# KiCad board Kristerj.kicad_pcb (continued)
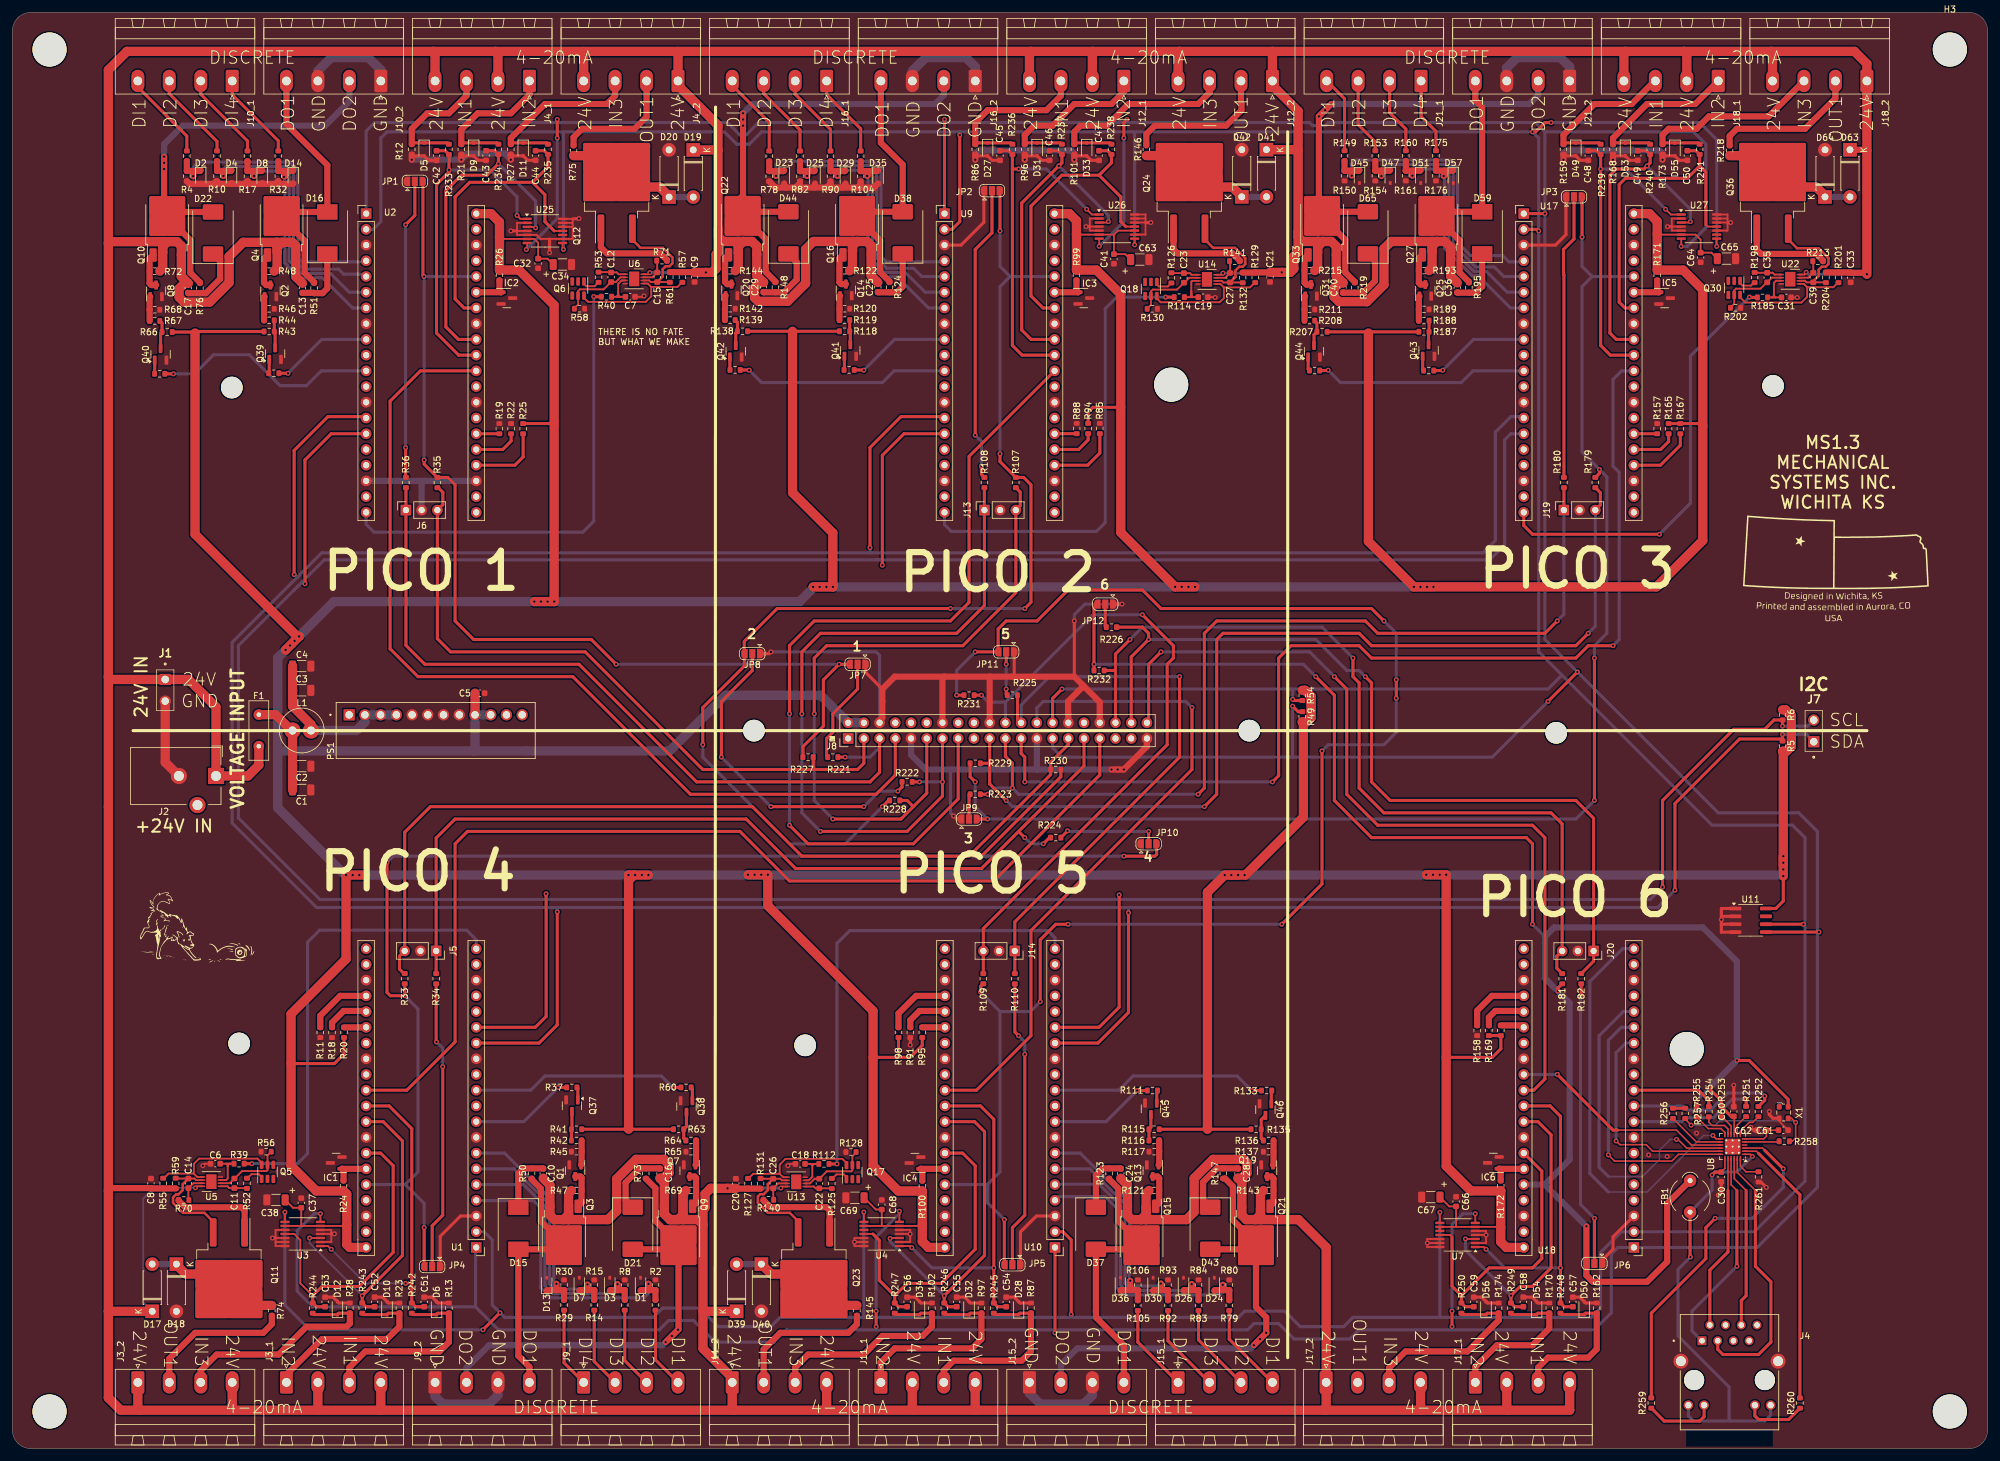
[diagram p0: board, top side]
## Nets (continued)
GND: C1.1 C2.1 C3.1 C4.1 C5.1 C6.2 C7.2 C8.2 C9.2 C18.2 C19.2 C20.2 C21.2 C30.1 C31.2 C32.2 C33.2 C34.2 C37.2 C38.2 C41.2 C42.2 C43.2 C44.2 C45.2 C46.2 C47.2 C48.2 C49.2 C50.2 C51.2 C52.2 C53.2 C54.2 C55.2 C56.2 C57.2 C58.2 C59.2 C60.2 C61.2 C62.1 C63.2 C64.2 C65.2 C66.2 C67.2 C68.2 C69.2 D1.2 D2.2 D3.2 D4.2 D5.2 D6.2 D7.2 D8.2 D9.2 D10.2 D11.2 D12.2 D13.2 D14.2 D18.2 D20.2 D23.2 D24.2 D25.2 D26.2 D27.2 D28.2 D29.2 D30.2 D31.2 D32.2 D33.2 D34.2 D35.2 D36.2 D40.2 D42.2 D45.2 D47.2 D49.2 D50.2 D51.2 D53.2 D54.2 D55.2 D56.2 D57.2 D64.2 IC1.2 IC1.3 IC2.2 IC2.3 IC3.2 IC3.3 IC4.2 IC4.3 IC5.2 IC5.3 IC6.2 IC6.3 J1.2 J2.2 J4.S1 J4.S2 J5.2 J6.2 J8.6 J8.9 J8.14 J8.20 J8.25 J8.30 J8.34 J8.39 J9_2.1 J9_2.3 J10_2.1 J10_2.3 J13.2 J14.2 J15_2.1 J15_2.3 J16_2.1 J16_2.3 J19.2 J20.2 J21_2.1 J21_2.3 JP1.1 JP2.1 JP3.1 JP4.1 JP5.1 JP6.1 JP7.1 JP8.1 JP9.1 JP10.1 JP11.1 JP12.1 PS1.5 PS1.6 PS1.7 PS1.8 Q1.2 Q2.2 Q7.2 Q8.2 Q13.2 Q14.2 Q19.2 Q20.2 Q25.2 Q31.2 Q37.2 Q38.2 Q39.2 Q40.2 Q41.2 Q42.2 Q43.2 Q44.2 Q45.2 Q46.2 R2.2 R4.2 R8.2 R10.2 R11.1 R12.1 R13.1 R15.2 R17.2 R18.1 R19.1 R21.1 R22.1 R23.1 R27.1 R28.1 R30.2 R32.2 R45.1 R46.1 R56.1 R58.1 R65.1 R68.1 R78.2 R80.2 R82.2 R84.2 R85.1 R86.1 R87.1 R88.1 R90.2 R91.1 R93.2 R96.1 R97.1 R101.1 R102.1 R104.2 R106.2 R117.1 R120.1 R128.1 R130.1 R137.1 R142.1 R150.2 R154.2 R157.1 R158.1 R159.1 R161.2 R162.1 R168.1 R170.1 R173.1 R174.1 R176.2 R189.1 R202.1 R211.1 R261.1 U1.3 U1.8 U1.13 U1.18 U1.23 U1.28 U1.33 U1.38 U2.3 U2.8 U2.13 U2.18 U2.23 U2.28 U2.33 U2.38 U3.2 U3.4 U3.5 U3.10 U3.12 U3.13 U3.14 U4.2 U4.4 U4.5 U4.12 U4.13 U4.14 U5.4 U6.4 U7.2 U7.4 U7.5 U7.12 U7.13 U7.14 U8.25 U9.3 U9.8 U9.13 U9.18 U9.23 U9.28 U9.33 U9.38 U10.3 U10.8 U10.13 U10.18 U10.23 U10.28 U10.33 U10.38 U11.1 U11.2 U11.3 U11.4 U13.4 U14.4 U17.3 U17.8 U17.13 U17.18 U17.23 U17.28 U17.33 U17.38 U18.3 U18.8 U18.13 U18.18 U18.23 U18.28 U18.33 U18.38 U22.4 U25.2 U25.4 U25.5 U25.9 U25.12 U25.13 U25.14 U26.2 U26.4 U26.5 U26.9 U26.12 U26.13 U26.14 U27.2 U27.4 U27.5 U27.10 U27.12 U27.13 U27.14 X1.2
/OSCIN: R258.1 U8.5
/REFCLKO: R256.1 U8.14
ADC_REF1: IC2.1 R26.2 U2.35
ADC_REF2: IC3.1 R99.2 U9.35
ADC_REF3: IC5.1 R171.2 U17.35
ADC_REF4: IC1.1 R24.2 U1.35
ADC_REF5: IC4.1 R100.2 U10.35
ADC_REF6: IC6.1 R172.2 U18.35
CRS: R254.2 U18.11
MDC: U8.13 U18.20
MDIO: U18.19
nRST: U8.15 U18.29
Pi1_4-20_IN1: C42.1 R233.2 U2.31 U25.1
Pi1_4-20_IN2: C43.1 R234.2 U2.32 U25.3
Pi1_4-20_IN3: C44.1 R235.2 U2.34 U25.11
Pi1_4-20_OUT-1-: J4_2.2 R75.2
Pi1_4-20_OUT-2-: J12_2.2 R146.2
Pi1_4-20_OUT-3-: J18_2.2 R218.2
Pi1_4-20_OUT-4-: J3_2.2 R74.2
Pi1_4-20_OUT-5-: J11_2.2 R145.2
Pi1_4-20_OUT-6-: J17_2.2
Pi1_D-IN1: D2.1 R3.2 R4.1 U2.4
Pi1_D-IN2: D4.1 R9.2 R10.1 U2.5
Pi1_D-IN3: D8.1 R16.2 R17.1 U2.6
Pi1_D-IN4: D14.1 R31.2 R32.1 U2.7
Pi1_D-OUT1: R38.1 U2.9
Pi1_D-OUT3: R62.1 U2.11
Pi1_DI_1: J10_1.4 R3.1
Pi1_DI_2: J10_1.3 R9.1
Pi1_DI_3: J10_1.2 R16.1
Pi1_DI_4: J10_1.1 R31.1
Pi1_DO1: D16.2 J10_2.4 Q4.2 R51.1
Pi1_DO3: D22.2 J10_2.2 Q10.2 R76.1
Pi1_O_1: R40.2 U2.20
Pi1_O_2: R114.2 U9.20
Pi1_O_3: R185.2 U17.20
Pi1_O_4: R39.2 U1.20
Pi1_O_5: R112.2 U10.20
Pi1_RST: J8.7 U2.30
Pi1_SCL-1: J7.2 R6.1 U1.15 U2.15 U9.15 U10.15 U17.15
Pi1_SDA-1: J7.1 R5.1 U1.14 U2.14 U9.14 U10.14 U17.14
Pi1_SWCLK: J6.1 J8.5 R36.2 R221.2
Pi1_SWDIO: J6.3 J8.3 R35.1 R227.1
Pi2_4-20_IN1: C45.1 R236.2 U9.31 U26.1
Pi2_4-20_IN2: C46.1 R237.2 U9.32 U26.3
Pi2_4-20_IN3: C47.1 R238.2 U9.34 U26.11
Pi2_D-IN1: D23.1 R77.2 R78.1 U9.4
Pi2_D-IN2: D25.1 R81.2 R82.1 U9.5
Pi2_D-IN3: D29.1 R89.2 R90.1 U9.6
Pi2_D-IN4: D35.1 R103.2 R104.1 U9.7
Pi2_D-OUT1: R113.1 U9.9
Pi2_D-OUT3: R134.1 U9.11
Pi2_DI_1: J16_1.4 R77.1
Pi2_DI_2: J16_1.3 R81.1
Pi2_DI_3: J16_1.2 R89.1
Pi2_DI_4: J16_1.1 R103.1
Pi2_DO1: D38.2 J16_2.4 Q16.2 R124.1
Pi2_DO3: D44.2 J16_2.2 Q22.2 R148.1
Pi2_RST: J8.15 U9.30
Pi2_SWCLK: J8.13 J13.1 R108.2 R222.2
Pi2_SWDIO: J8.11 J13.3 R107.1 R228.1
Pi3_4-20_IN1: C48.1 R239.2 U17.31 U27.1
Pi3_4-20_IN2: C49.1 R240.2 U17.32 U27.3
Pi3_4-20_IN3: C50.1 R241.2 U17.34 U27.11
Pi3_D-IN1: D45.1 R149.2 R150.1 U17.4
Pi3_D-IN2: D47.1 R153.2 R154.1 U17.5
Pi3_D-IN3: D51.1 R160.2 R161.1 U17.6
Pi3_D-IN4: D57.1 R175.2 R176.1 U17.7
Pi3_D-OUT1: R183.1 U17.9
Pi3_D-OUT3: R205.1 U17.11
Pi3_DI_1: J21_1.4 R149.1
Pi3_DI_2: J21_1.3 R153.1
Pi3_DI_3: J21_1.2 R160.1
Pi3_DI_4: J21_1.1 R175.1
Pi3_DO1: D59.2 J21_2.4 Q27.2 R195.1
Pi3_DO3: D65.2 J21_2.2 Q33.2 R219.1
Pi3_RST: J8.23 U17.30
Pi3_SWCLK: J8.21 J19.1 R180.2 R223.2
Pi3_SWDIO: J8.19 J19.3 R179.1 R229.1
Pi4_4-20_IN1: C51.1 R242.2 U1.31 U3.1
Pi4_4-20_IN2: C52.1 R243.2 U1.32 U3.3
Pi4_4-20_IN3: C53.1 R244.2 U1.34 U3.11
Pi4_D-IN1: D1.1 R1.2 R2.1 U1.4
Pi4_D-IN2: D3.1 R7.2 R8.1 U1.5
Pi4_D-IN3: D7.1 R14.2 R15.1 U1.6
Pi4_D-IN4: D13.1 R29.2 R30.1 U1.7
Pi4_D-OUT1: R37.1 U1.9
Pi4_D-OUT3: R60.1 U1.11
Pi4_DI_1: J9_1.4 R1.1
Pi4_DI_2: J9_1.3 R7.1
Pi4_DI_3: J9_1.2 R14.1
Pi4_DI_4: J9_1.1 R29.1
Pi4_DO1: D15.2 J9_2.4 Q3.2 R50.1
Pi4_DO3: D21.2 J9_2.2 Q9.2 R73.1
Pi4_RST: J8.33 U1.30
Pi4_SWCLK: J5.1 J8.31 R34.2 R224.2
Pi4_SWDIO: J5.3 J8.29 R33.1 R230.1
Pi5_4-20_IN1: C54.1 R245.2 U4.1 U10.31
Pi5_4-20_IN2: C55.1 R246.2 U4.3 U10.32
Pi5_4-20_IN3: C56.1 R247.2 U4.11 U10.34
Pi5_D-IN1: D24.1 R79.2 R80.1 U10.4
Pi5_D-IN2: D26.1 R83.2 R84.1 U10.5
Pi5_D-IN3: D30.1 R92.2 R93.1 U10.6
Pi5_D-IN4: D36.1 R105.2 R106.1 U10.7
Pi5_D-OUT1: R111.1 U10.9
Pi5_D-OUT3: R133.1 U10.11
Pi5_DI_1: J15_1.4 R79.1
Pi5_DI_2: J15_1.3 R83.1
Pi5_DI_3: J15_1.2 R92.1
Pi5_DI_4: J15_1.1 R105.1
Pi5_DO1: D37.2 J15_2.4 Q15.2 R123.1
Pi5_DO3: D43.2 J15_2.2 Q21.2 R147.1
Pi5_RST: J8.26 U10.30
Pi5_SWCLK: J8.24 J14.1 R110.2 R225.2
Pi5_SWDIO: J8.22 J14.3 R109.1 R231.1
Pi6_4-20_IN1: C57.1 R248.2 U7.1 U18.31
Pi6_4-20_IN2: C58.1 R249.2 U7.3 U18.32
Pi6_4-20_IN3: C59.1 R250.2 U7.11 U18.34
Pi6_RST: J8.40 U18.30
Pi6_SWCLK: J8.38 J20.1 R182.2 R226.2
Pi6_SWDIO: J8.36 J20.3 R181.1 R232.1
R_RXCLK: R256.2 R257.2
RX0: R251.2 U18.9
RX1: R252.2 U18.10
SCL-0: J8.28 R54.1 U1.2 U2.2 U3.8 U4.8 U7.8 U9.2 U10.2 U11.6 U17.2 U18.2 U25.8 U26.8 U27.8
SDA-0: J8.27 R49.1 U1.1 U2.1 U3.7 U4.7 U7.7 U9.1 U10.1 U11.5 U17.1 U18.1 U25.7 U26.7 U27.7
TX0: U8.17 U18.14
TX1: U8.18 U18.15
TX_EN: U8.16 U18.16
Net-(C1-Pad2): C1.2 C2.2 F1.2 L1.1
Net-(C3-Pad2): C3.2 C4.2 L1.2 PS1.2 PS1.3 PS1.4
Net-(C11-Pad1): C11.1 R52.2 U5.1
Net-(C12-Pad1): C12.1 R53.2 U6.1
Net-(C14-Pad2): C14.2 R70.2 U5.7
Net-(C15-Pad2): C15.2 R71.2 U6.7
Net-(C22-Pad1): C22.1 R125.2 U13.1
Net-(C23-Pad1): C23.1 R126.2 U14.1
Net-(C26-Pad2): C26.2 R140.2 U13.7
Net-(C27-Pad2): C27.2 R141.2 U14.7
Net-(C35-Pad1): C35.1 R198.2 U22.1
Net-(C39-Pad2): C39.2 R213.2 U22.7
Net-(D5-K): D5.1 J4_1.3 R12.2 R233.1
Net-(D6-K): D6.1 J3_1.3 R13.2 R242.1
Net-(D9-K): D9.1 J4_1.1 R21.2 R234.1
Net-(D10-K): D10.1 J3_1.1 R23.2 R243.1
Net-(D11-K): D11.1 J4_2.3 R27.2 R235.1
Net-(D12-K): D12.1 J3_2.3 R28.2 R244.1
Net-(D15-K): C10.1 D15.1 R50.2
Net-(D16-K): C13.1 D16.1 R51.2
Net-(D17-A): D17.2 D18.1 Q11.2 R74.1
Net-(D19-A): D19.2 D20.1 Q12.2 R75.1
Net-(D21-K): C16.1 D21.1 R73.2
Net-(D22-K): C17.1 D22.1 R76.2
Net-(D27-K): D27.1 J12_1.3 R86.2 R236.1
Net-(D28-K): D28.1 J11_1.3 R87.2 R245.1
Net-(D31-K): D31.1 J12_1.1 R96.2 R237.1
Net-(D32-K): D32.1 J11_1.1 R97.2 R246.1
Net-(D33-K): D33.1 J12_2.3 R101.2 R238.1
Net-(D34-K): D34.1 J11_2.3 R102.2 R247.1
Net-(D37-K): C24.1 D37.1 R123.2
Net-(D38-K): C25.1 D38.1 R124.2
Net-(D39-A): D39.2 D40.1 Q23.2 R145.1
Net-(D41-A): D41.2 D42.1 Q24.2 R146.1
Net-(D43-K): C28.1 D43.1 R147.2
Net-(D44-K): C29.1 D44.1 R148.2
Net-(D49-K): D49.1 J18_1.3 R159.2 R239.1
Net-(D50-K): D50.1 J17_1.3 R162.2 R248.1
Net-(D53-K): D53.1 J18_1.1 R168.2 R240.1
Net-(D54-K): D54.1 J17_1.1 R170.2 R249.1
Net-(D55-K): D55.1 J18_2.3 R173.2 R241.1
Net-(D56-K): D56.1 J17_2.3 R174.2 R250.1
Net-(D59-K): C36.1 D59.1 R195.2
Net-(D63-A): D63.2 D64.1 Q36.2 R218.1
Net-(D65-K): C40.1 D65.1 R219.2
Net-(J4-PadP10): J4.P10 R259.1
Net-(J4-PadP11): J4.P11 R260.1
Net-(JP1-C): JP1.2 R36.1
Net-(JP2-C): JP2.2 R108.1
Net-(JP3-C): JP3.2 R180.1
Net-(JP4-C): JP4.2 R34.1
Net-(JP5-C): JP5.2 R110.1
Net-(JP6-C): JP6.2 R182.1
Net-(JP7-C): JP7.2 R221.1
Net-(JP8-C): JP8.2 R222.1
Net-(JP9-C): JP9.2 R223.1
Net-(JP10-C): JP10.2 R224.1
Net-(JP11-C): JP11.2 R225.1
Net-(JP12-C): JP12.2 R226.1
Net-(Q1-D): Q1.3 Q3.1 R47.1
Net-(Q1-G): Q1.1 R42.1 R45.2
Net-(Q2-D): Q2.3 Q4.1 R48.1
Net-(Q2-G): Q2.1 R44.1 R46.2
Net-(Q5A-D): Q5.6 R55.1 U5.5
Net-(Q5A-G): Q5.1 R52.1
Net-(Q5A-S): C11.2 Q5.5 R56.2 U5.2
Net-(Q6A-D): Q6.6 R57.1 U6.5
Net-(Q6A-G): Q6.1 R53.1
Net-(Q6A-S): C12.2 Q6.5 R58.2 U6.2
Net-(Q7-D): Q7.3 Q9.1 R69.1
Net-(Q7-G): Q7.1 R64.1 R65.2
Net-(Q8-G): Q8.1 R67.1 R68.2
Net-(Q10-G): Q8.3 Q10.1 R72.1
Net-(Q11-G): Q11.1 R70.1
Net-(Q11-S): C14.1 Q11.3 R59.1 U5.6
Net-(Q12-G): Q12.1 R71.1
Net-(Q12-S): C15.1 Q12.3 R61.1 U6.6
Net-(Q13-D): Q13.3 Q15.1 R121.1
Net-(Q13-G): Q13.1 R116.1 R117.2
Net-(Q14-D): Q14.3 Q16.1 R122.1
Net-(Q14-G): Q14.1 R119.1 R120.2
Net-(Q17A-D): Q17.6 R127.1 U13.5
Net-(Q17A-G): Q17.1 R125.1
Net-(Q17A-S): C22.2 Q17.5 R128.2 U13.2
Net-(Q18A-D): Q18.6 R129.1 U14.5
Net-(Q18A-G): Q18.1 R126.1
Net-(Q18A-S): C23.2 Q18.5 R130.2 U14.2
Net-(Q19-D): Q19.3 Q21.1 R143.1
Net-(Q19-G): Q19.1 R136.1 R137.2
Net-(Q20-D): Q20.3 Q22.1 R144.1
Net-(Q20-G): Q20.1 R139.1 R142.2
Net-(Q23-G): Q23.1 R140.1
Net-(Q23-S): C26.1 Q23.3 R131.1 U13.6
Net-(Q24-G): Q24.1 R141.1
Net-(Q24-S): C27.1 Q24.3 R132.1 U14.6
Net-(Q25-D): Q25.3 Q27.1 R193.1
Net-(Q25-G): Q25.1 R188.1 R189.2
Net-(Q30A-D): Q30.6 R201.1 U22.5
Net-(Q30A-G): Q30.1 R198.1
Net-(Q30A-S): C35.2 Q30.5 R202.2 U22.2
Net-(Q31-D): Q31.3 Q33.1 R215.1
Net-(Q31-G): Q31.1 R208.1 R211.2
Net-(Q36-G): Q36.1 R213.1
Net-(Q36-S): C39.1 Q36.3 R204.1 U22.6
Net-(Q37-B): Q37.1 R37.2
Net-(Q37-C): Q37.3 R41.1 R42.2
Net-(Q38-B): Q38.1 R60.2
Net-(Q38-C): Q38.3 R63.1 R64.2
Net-(Q39-B): Q39.1 R38.2
Net-(Q39-C): Q39.3 R43.1 R44.2
Net-(Q40-B): Q40.1 R62.2
Net-(Q40-C): Q40.3 R66.1 R67.2
Net-(Q41-B): Q41.1 R113.2
Net-(Q41-C): Q41.3 R118.1 R119.2
Net-(Q42-B): Q42.1 R134.2
Net-(Q42-C): Q42.3 R138.1 R139.2
Net-(Q43-B): Q43.1 R183.2
Net-(Q43-C): Q43.3 R187.1 R188.2
Net-(Q44-B): Q44.1 R205.2
Net-(Q44-C): Q44.3 R207.1 R208.2
Net-(Q45-B): Q45.1 R111.2
Net-(Q45-C): Q45.3 R115.1 R116.2
Net-(Q46-B): Q46.1 R133.2
Net-(Q46-C): Q46.3 R135.1 R136.2
Net-(U1-GP18): R11.2 U1.24
Net-(U1-GP19): R18.2 U1.25
Net-(U1-GP20): R20.1 U1.26
Net-(U2-GP18): R25.1 U2.24
Net-(U2-GP19): R22.2 U2.25
Net-(U2-GP20): R19.2 U2.26
Net-(U5A-+): C6.1 R39.1 U5.3
Net-(U6A-+): C7.1 R40.1 U6.3
Net-(U8-CRS_DV/MODE2): R254.1 U8.11
Net-(U8-LED1/REGOFF): R259.2 U8.3
Net-(U8-LED2/~{INTSEL}): R260.2 U8.2
Net-(U8-MDIO): R255.1 U8.12
Net-(U8-RBIAS): R261.2 U8.24
Net-(U8-RXD0/MODE0): R251.1 U8.8
Net-(U8-RXD1/MODE1): R252.1 U8.7
Net-(U8-RXER/PHYAD0): R253.1 U8.10
Net-(U8-RXN): J4.P6 U8.22
Net-(U8-RXP): J4.P3 U8.23
Net-(U8-TXN): J4.P2 U8.20
Net-(U8-TXP): J4.P1 U8.21
Net-(U8-VDDCR): C61.1 C62.2 U8.6
Net-(U9-GP18): R85.2 U9.24
Net-(U9-GP19): R94.1 U9.25
Net-(U9-GP20): R88.2 U9.26
Net-(U10-GP18): R98.1 U10.24
Net-(U10-GP19): R91.2 U10.25
Net-(U10-GP20): R95.1 U10.26
Net-(U13A-+): C18.1 R112.1 U13.3
Net-(U14A-+): C19.1 R114.1 U14.3
Net-(U17-GP18): R167.1 U17.24
Net-(U17-GP19): R165.1 U17.25
Net-(U17-GP20): R157.2 U17.26
Net-(U18-GP18): R158.2 U18.24
Net-(U18-GP19): R169.1 U18.25
Net-(U18-GP20): R166.1 U18.26
Net-(U22A-+): C31.1 R185.1 U22.3
Net-(X1-OUT): R257.1 R258.2 X1.3

Pads without a net: J2 3; J4 P4 P5 P7 P8; J8 1 8 10 12 16 17 18 32 35 37; PS1 1 11 12; Q5 2 3 4; Q6 2 3 4; Q17 2 3 4; Q18 2 3 4; Q30 2 3 4; U1 10 12 16 17 19 21 22 27 29 37 39; U2 10 12 16 17 19 21 22 27 29 37 39; U4 10; U5 9; U6 9; U8 4; U9 10 12 16 17 19 21 22 27 29 37 39; U10 10 12 16 17 19 21 22 27 29 37 39; U11 7; U13 9; U14 9; U17 10 12 16 17 19 21 22 27 29 37 39; U18 4 5 6 7 12 17 21 22 27 37 39; U22 9; U25 10; U27 9; X1 1

## Via types
v1: diameter 0.8, hole 0.4, Top to Bottom, 325 vias

## Routing (per net, layer and track width the routed paths; a pad name or vN(x,y) marks a point on that pad's centre or on a via; arc(x,y) is an arc through that point)
3.3V_1: length 166.6
  Top w0.5: JP7.3 v1(133.5,126.7) 130.98,124.17 130.98,116.7 127.68,113.4 R227.2 ; v1(97.5,126.7) 93.5,130.7 74.5,130.7 71.5,133.7 71.5,155.7 70.32,156.88 R35.2 66.5,159.01 v1(66.5,159.7) ; JP1.3 66.3,189.53 v1(66.5,189.33)
  Bottom w0.5: v1(133.5,126.7) v1(97.5,126.7) ; U2.36 v1(66.5,189.33) v1(66.5,159.7)
3.3V_2: length 187.1
  Top w0.5: v1(159.5,160.7) 159.5,159.44 R107.2 163.32,156.88 164.5,155.7 164.5,136.7 v1(163.5,135.7) ; JP2.3 v1(159.5,196.7) ; v1(151.5,135.7) 123.5,135.7 118.2,130.4 JP8.3 118.2,126.4 111.5,119.7 v1(111.5,113.7) ; v1(140.5,103.7) 141.5,104.7 R228.2
  Bottom w0.5: v1(159.5,160.7) 159.5,187.7 161.13,189.33 ; v1(163.5,135.7) v1(151.5,135.7) ; v1(111.5,113.7) 111.5,111.7 125.5,97.7 134.5,97.7 v1(140.5,103.7) ; v1(159.5,196.7) 159.5,190.97 161.13,189.33 ; 161.13,189.33 U9.36
3.3V_3: length 221.2
  Top w0.5: v1(255.5,127.7) v1(255.5,104.7) ; JP3.3 253.5,201.2 ; JP9.3 v1(157.5,101.7) ; 253.5,201.7 v1(253.5,195.7) ; R179.2 256.31,157.55 v1(256.31,158.16) ; R229.2 154.68,108.52 v1(155.5,107.7)
  Bottom w0.5: v1(253.5,195.7) 253.5,190.97 255.13,189.33 ; U17.36 255.13,189.33 ; 255.13,189.33 253.5,187.7 253.5,160.98 v1(256.31,158.16) 257.5,156.98 257.5,131.7 255.5,129.7 v1(255.5,127.7) ; v1(155.5,107.7) 155.5,103.7 v1(157.5,101.7) 252.5,101.7 v1(255.5,104.7)
3.3V_4: length 225.9
  Top w0.5: R230.2 169.32,108.52 v1(156.5,95.7) ; JP4.3 v1(66.5,35.7) ; R33.2 v1(63.37,73.15) 61.05,73.15 60.5,73.7 v1(60.5,94.7) ; v1(179.5,95.7) 184.5,95.7 184.8,96 JP10.3
  Bottom w0.5: v1(60.5,94.7) 61.5,95.7 157.5,95.7 ; 63.46,42.65 66.5,39.61 v1(66.5,35.7) ; 63.46,42.65 65.5,44.7 65.5,71.02 v1(63.37,73.15) ; 63.46,42.65 U1.36 ; v1(179.5,95.7) 157.5,95.7 ; 157.5,95.7 v1(156.5,95.7)
3.3V_5: length 259.5
  Top w0.5: v1(152.5,121.7) R231.2 ; v1(211.5,112.7) 211.5,91.2 v1(205,84.7) ; v1(166,72.2) 166,82.2 168.5,84.7 v1(170.5,84.7) ; v1(223.5,124.2) v1(223.5,121.2) ; v1(155.5,128.7) JP11.3 159.2,132.4 160.5,133.7 165.5,133.7 170.5,138.7 182.5,138.7 185.5,135.7 219.5,135.7 v1(221.5,133.7) ; v1(160.2,37) JP5.3 ; v1(156.36,73.74) 156.36,74.64 156.81,75.08
  Bottom w0.5: 157.5,42.7 157.5,39.7 v1(160.2,37) ; 157.5,42.7 159.5,44.7 159.5,70.6 ; 157.5,42.7 157.45,42.65 U10.36 ; 159.5,70.6 v1(156.36,73.74) ; 159.5,70.6 164.4,70.6 v1(166,72.2) ; v1(152.5,121.7) 152.5,125.7 v1(155.5,128.7) ; v1(205,84.7) v1(170.5,84.7) ; v1(211.5,112.7) 212.5,113.7 221.5,113.7 223.5,115.7 v1(223.5,121.2) ; v1(223.5,124.2) 223.5,131.7 v1(221.5,133.7)
3.3V_6: length 296.2
  Top w0.25: C60.1 278.07,53.6 U8.9
  Top w0.5: v1(210.5,124.7) 213.5,121.7 213.5,104.7 219.5,98.7 244.5,98.7 245.5,97.7 v1(245.5,84.7) ; v1(274,58.2) 275.99,56.21 R253.2 277.57,53.67 C60.1 ; JP12.3 174.68,135.89 v1(174.68,126.7) R232.2 ; v1(278.5,62.7) 280.5,62.7 286.8,56.4 X1.4 ; R255.2 v1(271.99,56.19) ; v1(249.57,73.91) 249.57,74.37 250.29,75.08
  Top w1: v1(254.2,35.91) JP6.3 254.2,28 255.25,26.95 264,26.95 267.25,30.2 267.25,39.59 FB1.2
  Bottom w0.5: v1(174.68,126.7) 208.5,126.7 v1(210.5,124.7) ; v1(274,58.2) v1(271.99,56.19) ; 247.5,82.7 v1(245.5,84.7)
  Bottom w1: 247.45,42.65 251.5,46.7 251.5,71.99 v1(249.57,73.91) 247.5,75.99 247.5,82.7 249,84.2 273,84.2 278.5,78.7 v1(278.5,62.7) v1(274,58.2) ; 247.45,42.65 v1(254.2,35.91) ; 247.45,42.65 U18.36
+5V: length 1609.1
  Top w0.3: 177.9,196.1 178.55,196.75 U26.10 ; 177.9,196.1 U26.6 171.95,196.1 171.85,196.2 ; 177.9,196.1 177.9,196.09 C41.1 179.73,192.95 C63.1 ; U3.9 46.75,35.97 ; 46.75,35.97 U3.6 53.78,35.97 54,36.2 ; 46.75,35.97 46.66,36.07 C37.1 45.31,38.91 C38.1 ; 233.25,35.81 U7.6 240.25,35.81 240.37,35.7 ; 233.25,35.81 233.15,35.91 C66.1 232.05,39.13 C67.1 ; 233.25,35.81 U7.9 U7.10 ; 78.66,195.7 78.97,195.4 U25.6 84.3,195.4 84.91,194.79 C32.1 86.41,192.22 C34.1 ; 146.95,36.2 146.73,35.97 U4.6 140.5,35.97 ; 140.5,35.97 140.4,36.07 C68.1 139.45,38.62 C69.1 ; 140.5,35.97 U4.9 ; 265.64,196.2 265.74,196.1 U27.6 271.85,196.1 272.65,195.29 C64.1 274.38,193.19 C65.1
  Top w0.5: 273,165.2 272.62,165.58 R167.2 R165.2 ; 179,168.2 174.5,168.2 173.74,167.44 R94.2 ; 143,63.2 145,63.2 146.94,65.14 R95.2 ; 143,63.2 139,63.2 ; 143,63.2 143.11,63.31 R98.2 ; R115.2 R135.2 ; 45,62.2 52,62.2 53.56,63.76 R20.2 ; R118.2 R138.2 ; R66.2 29.34,180.36 29.5,180.2 29.75,180.45 R43.2 ; U11.8 284.8,87.25 286,88.45 v1(286,92.49) ; 227.14,180.4 219.2,180.4 219,180.2 218.8,180.4 R207.2 ; R63.2 99.52,51.59 99.51,51.6 99.5,51.59 R41.2 ; 87.5,165.7 87.38,165.58 R25.2 ; R169.2 R166.2 240.39,64.59 239,63.2 231.56,63.2
  Top w1.5: U2.40 77.29,199.5 78.66,198.12 R26.1 81.82,190.38 87.5,184.7 87.5,136.83 ; v1(44.12,129.01) 44.12,129.02 v1(46.3,131.2) 46,131.2 29.5,147.7 29.5,180.2 ; 199.15,92.65 208.5,102 208.5,117.2 R49.2 209.04,117.39 209.74,118.09 ; R54.2 208.77,122.49 209.74,121.52 ; v1(197.94,92.65) 196.67,92.65 ; v1(286,92.49) v1(286,95.7) ; v1(191,139.2) v1(187.79,139.2) 179,147.99 179,186.45 175.08,190.38 R99.1 171.85,198.35 170.7,199.5 U9.40 ; 209.74,121.52 209.74,120.43 ; 209.74,121.52 209.74,118.09 ; 286,94.2 286,112.53 R5.2 286.52,112.65 287.31,113.44 287.31,118.37 286.34,119.34 R6.2 ; U18.40 241.27,32.5 240.37,33.4 R172.1 ; U17.40 264.38,199.5 265.64,198.23 R171.1 269.83,190.37 273,187.2 273,146.7 265.5,139.2 v1(226.34,139.2) 219,146.54 219,180.2 ; U1.40 54.46,32.5 54,32.95 54,41.1 R24.1 49.07,41.62 45,45.7 45,70.2 53.88,79.08 v1(53.88,92.64) 53.89,92.65 v1(57.09,92.65) ; C5.2 74.72,118.54 PS1.9 ; 99.51,51.6 99.51,91.77 ; 99.51,91.77 99.51,92.64 ; 99.51,91.77 100.38,92.65 ; v1(118.79,92.7) v1(122,92.7) 122,87.7 139,70.7 139,45.7 143.08,41.62 R100.1 146.95,33.46 147.93,32.5 U10.40 ; v1(129.32,139.2) v1(132.53,139.2) 132.5,139.23 132.5,147.91 126,154.41 126,180.49 ; v1(87.5,136.82) v1(84.29,136.82) ; 193,51.59 193,89.86 v1(195.79,92.65) v1(199,92.65) ; R172.1 240.36,41.62 ; R172.1 235.57,41.63 231.56,45.64 v1(231.56,92.7) v1(228.35,92.7) ; 209.74,118.09 209.74,118.26 ; v1(99.5,92.65) v1(102.72,92.65)
  Bottom w1.5: 74.5,112.7 74.71,112.91 PS1.9 PS1.10 77.25,118.45 ; 74.5,112.7 106.16,112.7 115.16,121.7 130.52,121.7 134.97,117.25 ; 74.5,112.7 42.85,112.7 ; v1(191,139.2) v1(187.79,139.2) ; v1(286,92.49) v1(286,95.7) ; 285.95,92.65 53.72,92.65 42.85,103.51 42.85,112.7 ; 137.51,117.25 134.97,117.25 ; 134.97,117.25 135.5,117.25 ; v1(229.5,139.2) v1(226.34,139.2) 129.5,139.2 127.12,136.82 v1(87.5,136.82) v1(84.29,136.82) 51.93,136.82 42.85,127.75 42.85,112.7
  vias: v1(44.84,129.73) v1(45.58,130.48) v1(54.96,92.64) v1(56.03,92.65) v1(85.35,136.82) v1(86.44,136.82) v1(100.57,92.65) v1(101.66,92.65) v1(119.86,92.7) v1(120.94,92.7) v1(130.38,139.2) v1(131.46,139.2) v1(188.85,139.2) v1(189.93,139.2) v1(196.86,92.65) v1(227.4,139.2) v1(228.48,139.2) v1(229.42,92.7) v1(230.5,92.7) v1(286,94.64) v1(286,93.56)
+24V: length 1517.8
  Top w0.3: U22.8 289.4,189.65 289.6,189.84 289.6,189.92 v1(289.7,190.02) ; U6.8 102.7,189.7 v1(102.95,189.95) ; U14.8 195.26,189.62 v1(195.51,189.87) ; U5.8 29.81,42.38 v1(29.56,42.13) ; U13.8 124.34,42.34 v1(124.09,42.09)
  Top w1: C21.1 203.1,190 R129.2 200.69,189.97 R132.2 ; v1(299.5,189.7) 299.25,189.94 C33.1 296.83,190 R201.2 R204.2 ; C9.1 110.12,190.04 R57.2 R61.2 ; 299.5,209.7 299.39,209.81 D63.1 ; 15.5,41.7 15.88,42.08 C8.1 22.43,42.03 R55.2 R59.2 ; C20.1 116.88,42 R127.2 R131.2
  Top w1.5: 108.34,37 110.72,37 111.53,36.19 ; 108.34,37 108.31,37.03 108.31,41.24 ; 108.34,37 106.2,37 ; J12_2.4 188.26,225.46 188.5,225.7 ; J3_1.4 59.5,6.2 ; 59.5,6.2 116.5,6.2 ; 59.5,6.2 49.5,6.2 ; 207.65,196.56 207.65,193.3 206.95,192.6 206.95,190.59 206.37,190 v1(205,190) C21.1 ; 207.65,196.56 207.65,209.7 ; 207.65,196.56 207.65,195.72 208.38,195 210.81,195 ; F1.1 39.8,110.41 38.04,108.66 J2.1 32.89,119.81 28.46,124.24 J1.1 15.96,124.24 15.5,124.7 ; 135.68,193.45 135.68,194.96 135.71,195 ; 135.68,193.45 135.68,190.73 R122.2 ; 135.68,193.45 135.68,194.29 136.38,195 ; 227.5,6.2 227.42,6.28 J17_2.4 ; 227.5,6.2 241.5,6.2 ; 227.5,6.2 212,6.2 ; 107.5,225.7 J4_2.1 107.5,220.2 113.96,213.75 113.96,209.7 ; 212,6.2 212.18,6.38 J17_2.1 212.18,32.52 207.7,37 201.61,37 ; 212,6.2 155.5,6.2 ; 90.28,41.7 89.82,41.24 89.82,39.33 ; 106.2,37 107.5,37 108.31,37.8 108.31,41.24 ; 106.2,37 105.29,37.9 Q9.3 105.29,42.97 C16.2 105.18,43.68 106.04,44.54 106.04,45.91 105.23,46.72 100.74,46.72 97.59,43.57 97.59,38.39 96.19,37 89.83,37 ; 183.1,39.02 183.1,37 183.08,37 ; 183.1,39.02 183.1,37.81 182.29,37 ; 183.1,39.02 183.1,41.24 R121.2 ; 164.5,225.7 164.26,225.46 J12_1.4 ; 164.5,225.7 78,225.7 ; 164.5,225.7 174.5,225.7 ; 108.31,41.24 R69.2 ; 201.57,38.72 201.57,37.8 200.76,37 ; 201.57,38.72 201.57,37.03 201.61,37 ; 201.57,38.72 201.57,41.24 R143.2 ; 284,225.7 297.5,225.7 299.5,223.7 J18_2.1 v1(299.5,189.7) ; 284,225.7 270,225.7 ; 284,225.7 284.26,225.44 J18_2.4 ; C10.2 86.81,42.59 Q3.3 86.81,37.72 87.54,37 89.01,37 ; 117.18,195 114.79,195 113.96,195.83 113.96,197 ; 117.18,195 118.04,195 ; 117.18,195 117.18,194.98 117.24,194.92 117.24,193.16 ; 207.65,209.7 207.65,216.05 203.5,220.2 J12_2.1 203.5,225.7 ; 207.65,209.7 207.52,209.82 D41.1 ; 210.81,195 211.65,195 ; 210.81,195 210.8,194.98 210.8,193.22 ; 241.5,6.2 241.34,6.36 J17_1.2 ; 241.5,6.2 251.5,6.2 J17_1.4 ; J3_2.4 35.5,6.7 35,6.2 ; 118.04,195 117.24,194.19 117.24,193.16 ; 118.04,195 119.46,195 120.21,194.23 Q22.3 120.21,189.47 C29.2 120.71,188.38 119.86,187.53 119.86,185.91 120.44,185.33 125.21,185.33 128.11,188.23 128.11,193.73 129.37,195 135.71,195 ; 42.68,194.86 43.56,194.86 ; 42.68,194.86 37.28,194.86 35,192.57 35,188.35 31.84,185.19 27.72,185.19 26.94,185.97 26.94,187.38 27.8,188.24 C17.2 27.28,189.34 Q10.3 27.28,194.26 26.59,194.96 25.04,194.96 ; 42.68,194.86 42.75,194.79 42.75,193.28 ; 43.56,194.86 45.16,194.86 45.76,194.26 Q4.3 45.76,189.32 46.84,188.25 ; 43.56,194.86 42.75,194.05 42.75,193.28 ; R193.2 229.29,190.78 229.29,193.34 ; 174.5,225.7 174.42,225.62 J12_1.2 ; 174.5,225.7 188.5,225.7 ; 89.01,37 89.82,37.81 89.82,39.33 ; 89.01,37 89.83,37 ; 111.53,22.2 111.53,16.17 116.26,11.44 J11_2.1 116.26,6.44 116.5,6.2 ; 111.53,22.2 111.55,22.18 D39.1 ; 111.53,22.2 111.53,36.19 ; 117.24,193.16 117.24,190.76 R144.2 ; C25.2 138.69,189.46 Q16.3 138.69,194.31 138,195 136.38,195 ; R72.2 24.28,190.67 24.28,193.19 ; J11_1.4 155.5,6.2 ; 155.5,6.2 145.5,6.2 ; 68,225.7 68.26,225.44 J4_1.4 ; 68,225.7 78,225.7 ; 68,225.7 18.5,225.7 15.5,222.7 15.5,194.7 ; 78,225.7 78.42,225.28 J4_1.2 ; 270,225.7 260.5,225.7 ; 270,225.7 270.42,225.28 J18_1.2 ; 260.5,225.7 203.5,225.7 ; 260.5,225.7 260.26,225.46 J18_1.4 ; 111.53,36.19 111.53,38.63 111.87,38.97 111.87,41.14 112.77,42.05 v1(115.5,42.05) C20.1 ; C9.1 v1(112,190) 113.03,190 113.64,190.6 113.64,192.88 113.96,193.2 113.96,197 ; 211.65,195 213.01,195 213.81,194.2 Q33.3 213.81,189.41 C40.2 214.31,188.31 213.45,187.45 213.45,186.08 214.26,185.26 218.76,185.26 221.51,188.02 221.51,193.83 222.68,195 229.29,195 ; 211.65,195 210.8,194.13 210.8,193.22 ; 15.5,194.7 15.5,124.7 ; 15.5,194.7 15.76,194.96 24.25,194.96 ; 15.5,124.7 15.5,22.2 ; 113.96,197 113.96,209.7 ; 113.96,209.7 113.87,209.78 D19.1 ; 182.29,37 183.08,37 ; 182.29,37 180.76,37 180.08,37.67 180.08,42.59 C24.2 ; 136.38,195 135.71,195 ; 89.83,37 89.82,37 89.82,39.33 ; 145.5,6.2 145.34,6.36 J11_1.2 ; 145.5,6.2 131.5,6.2 ; 203.5,225.7 188.5,225.7 ; 229.29,193.34 229.29,194.24 230.05,195 ; 229.29,193.34 229.29,195 ; 230.05,195 229.29,195 ; 230.05,195 231.35,195 232.27,194.07 Q27.3 232.27,189.39 C36.2 ; 24.28,193.19 24.28,194.19 25.04,194.96 ; 24.28,193.19 24.28,194.94 24.25,194.96 ; J11_2.4 131.5,6.2 ; 131.5,6.2 116.5,6.2 ; 210.8,193.22 210.8,190.75 R215.2 ; J3_2.1 20.26,6.44 20.5,6.2 ; 35,6.2 20.5,6.2 ; 35,6.2 49.5,6.2 ; 20.5,6.2 17.5,6.2 15.5,8.2 15.5,22.2 ; 200.76,37 199.27,37 198.56,37.7 Q21.3 198.56,43.06 C28.2 198.56,43.68 199.39,44.5 199.39,46.16 198.83,46.72 193.91,46.72 190.85,43.66 190.85,38.22 189.62,37 183.08,37 ; 200.76,37 201.61,37 ; 15.5,22.2 15.52,22.18 D17.1 22.64,22.18 ; 25.04,194.96 24.25,194.96 ; 42.75,193.28 42.75,190.67 R48.2 ; 49.5,6.2 49.34,6.36 J3_1.2 ; 92.26,225.7 J4_2.4
  Bottom w0.3: v1(29.56,42.13) 22.87,42.13 21.13,40.39 21.13,23.63 D17.1
  Bottom w0.5: v1(102.95,189.95) 111.95,189.95 v1(112,190) ; v1(299.5,189.7) 290.01,189.7 v1(289.7,190.02) ; v1(195.51,189.87) 204.87,189.87 v1(205,190) ; v1(124.09,42.09) 115.55,42.09 v1(115.5,42.05)
AVDD: length 76.2
  Top w0.25: U8.19 276.57,45.26 C30.2 ; U8.1 280.66,47.54 v1(281,47.2)
  Top w0.5: FB1.1 270.95,31 v1(271,30.95) ; v1(274.5,44.2) 274.96,44.66 C30.2
  Bottom w0.5: v1(271,30.95) 269,28.95 269,18.2 277.25,9.95 277.25,4.7 277.5,4.45 ; J4.P9 270.67,5.28 271.5,4.45 283,4.45 283.95,5.4 J4.P12 ; v1(281,47.2) 278.5,44.7 275,44.7 v1(274.5,44.2) 274.5,41.76 FB1.1
GND: length 691.4
  Top w0.25: C61.2 285.35,52.87 X1.2
  Top w0.3: U3.4 51.47,34.68 ; v1(194.25,185.95) 194.2,186 C19.2 ; U26.12 183,198.05 ; U25.14 90.5,198.65 90.5,195.4 U25.9 85.3,195.4 84.65,196.05 U25.5 81.5,196.05 81.5,196.7 ; U26.13 183,198.7 ; U27.2 268,198.7 268,196.75 U27.5 ; U25.4 81.5,196.7 ; 81.5,196.7 81.5,198 U25.2 ; U7.2 237.99,33.21 238,33.23 238,35.16 U7.5 ; U4.13 v1(136,33.38) ; C18.2 125.54,45.99 v1(125.25,45.7) ; v1(228.51,33.21) 228.51,32.58 228.5,32.56 U7.14 ; v1(228.51,33.21) 228.5,33.23 228.5,33.87 U7.12 ; v1(228.51,33.21) U7.13 ; 44.02,32.72 42.5,32.72 42.5,35.32 U3.10 ; U4.2 145,33.38 145,35.32 U4.5 ; C31.2 288.24,185.96 v1(288.25,185.95) ; U7.4 v1(238,34.51) ; 90.32,198 U25.13 ; v1(102,186.2) 101.86,186.06 C7.2 ; U27.12 277,198.05 ; C6.2 31.07,46.02 v1(30.75,45.7) ; U3.2 51.5,33.38 51.5,35.32 U3.5 ; 137.52,34.02 136,34.02 136,32.75 136.02,32.72 137.52,32.72 ; U26.14 183,199.35 183,196.1 U26.9 ; U26.5 174.05,196.75 174,196.8 174,198.7 U26.2 ; U27.4 268,197.4 ; U4.4 v1(144.98,34.68) ; U3.13 42.5,33.38 ; U27.14 277,199.35 277,196.8 276.95,196.75 U27.10 ; U26.4 174,197.4 ; 44.02,34.02 42.5,34.02 ; U25.12 90.5,197.35 ; U27.13 277,198.7